# Altium PCB х__логия_v25.PcbDoc (part 2 of 3)
Units mm, origin at the board's own origin, x right, y up, seen from the top; angles counter-clockwise.
Board outline 106.4 x 100 mm, 4 copper layers (Top Layer, Layer 1, Layer 2, Bottom Layer), stack 1.583 mm thick; 273 components, 180 nets, 886 pads, 616 vias.
Unrouted connection lines stored in the file: 69.
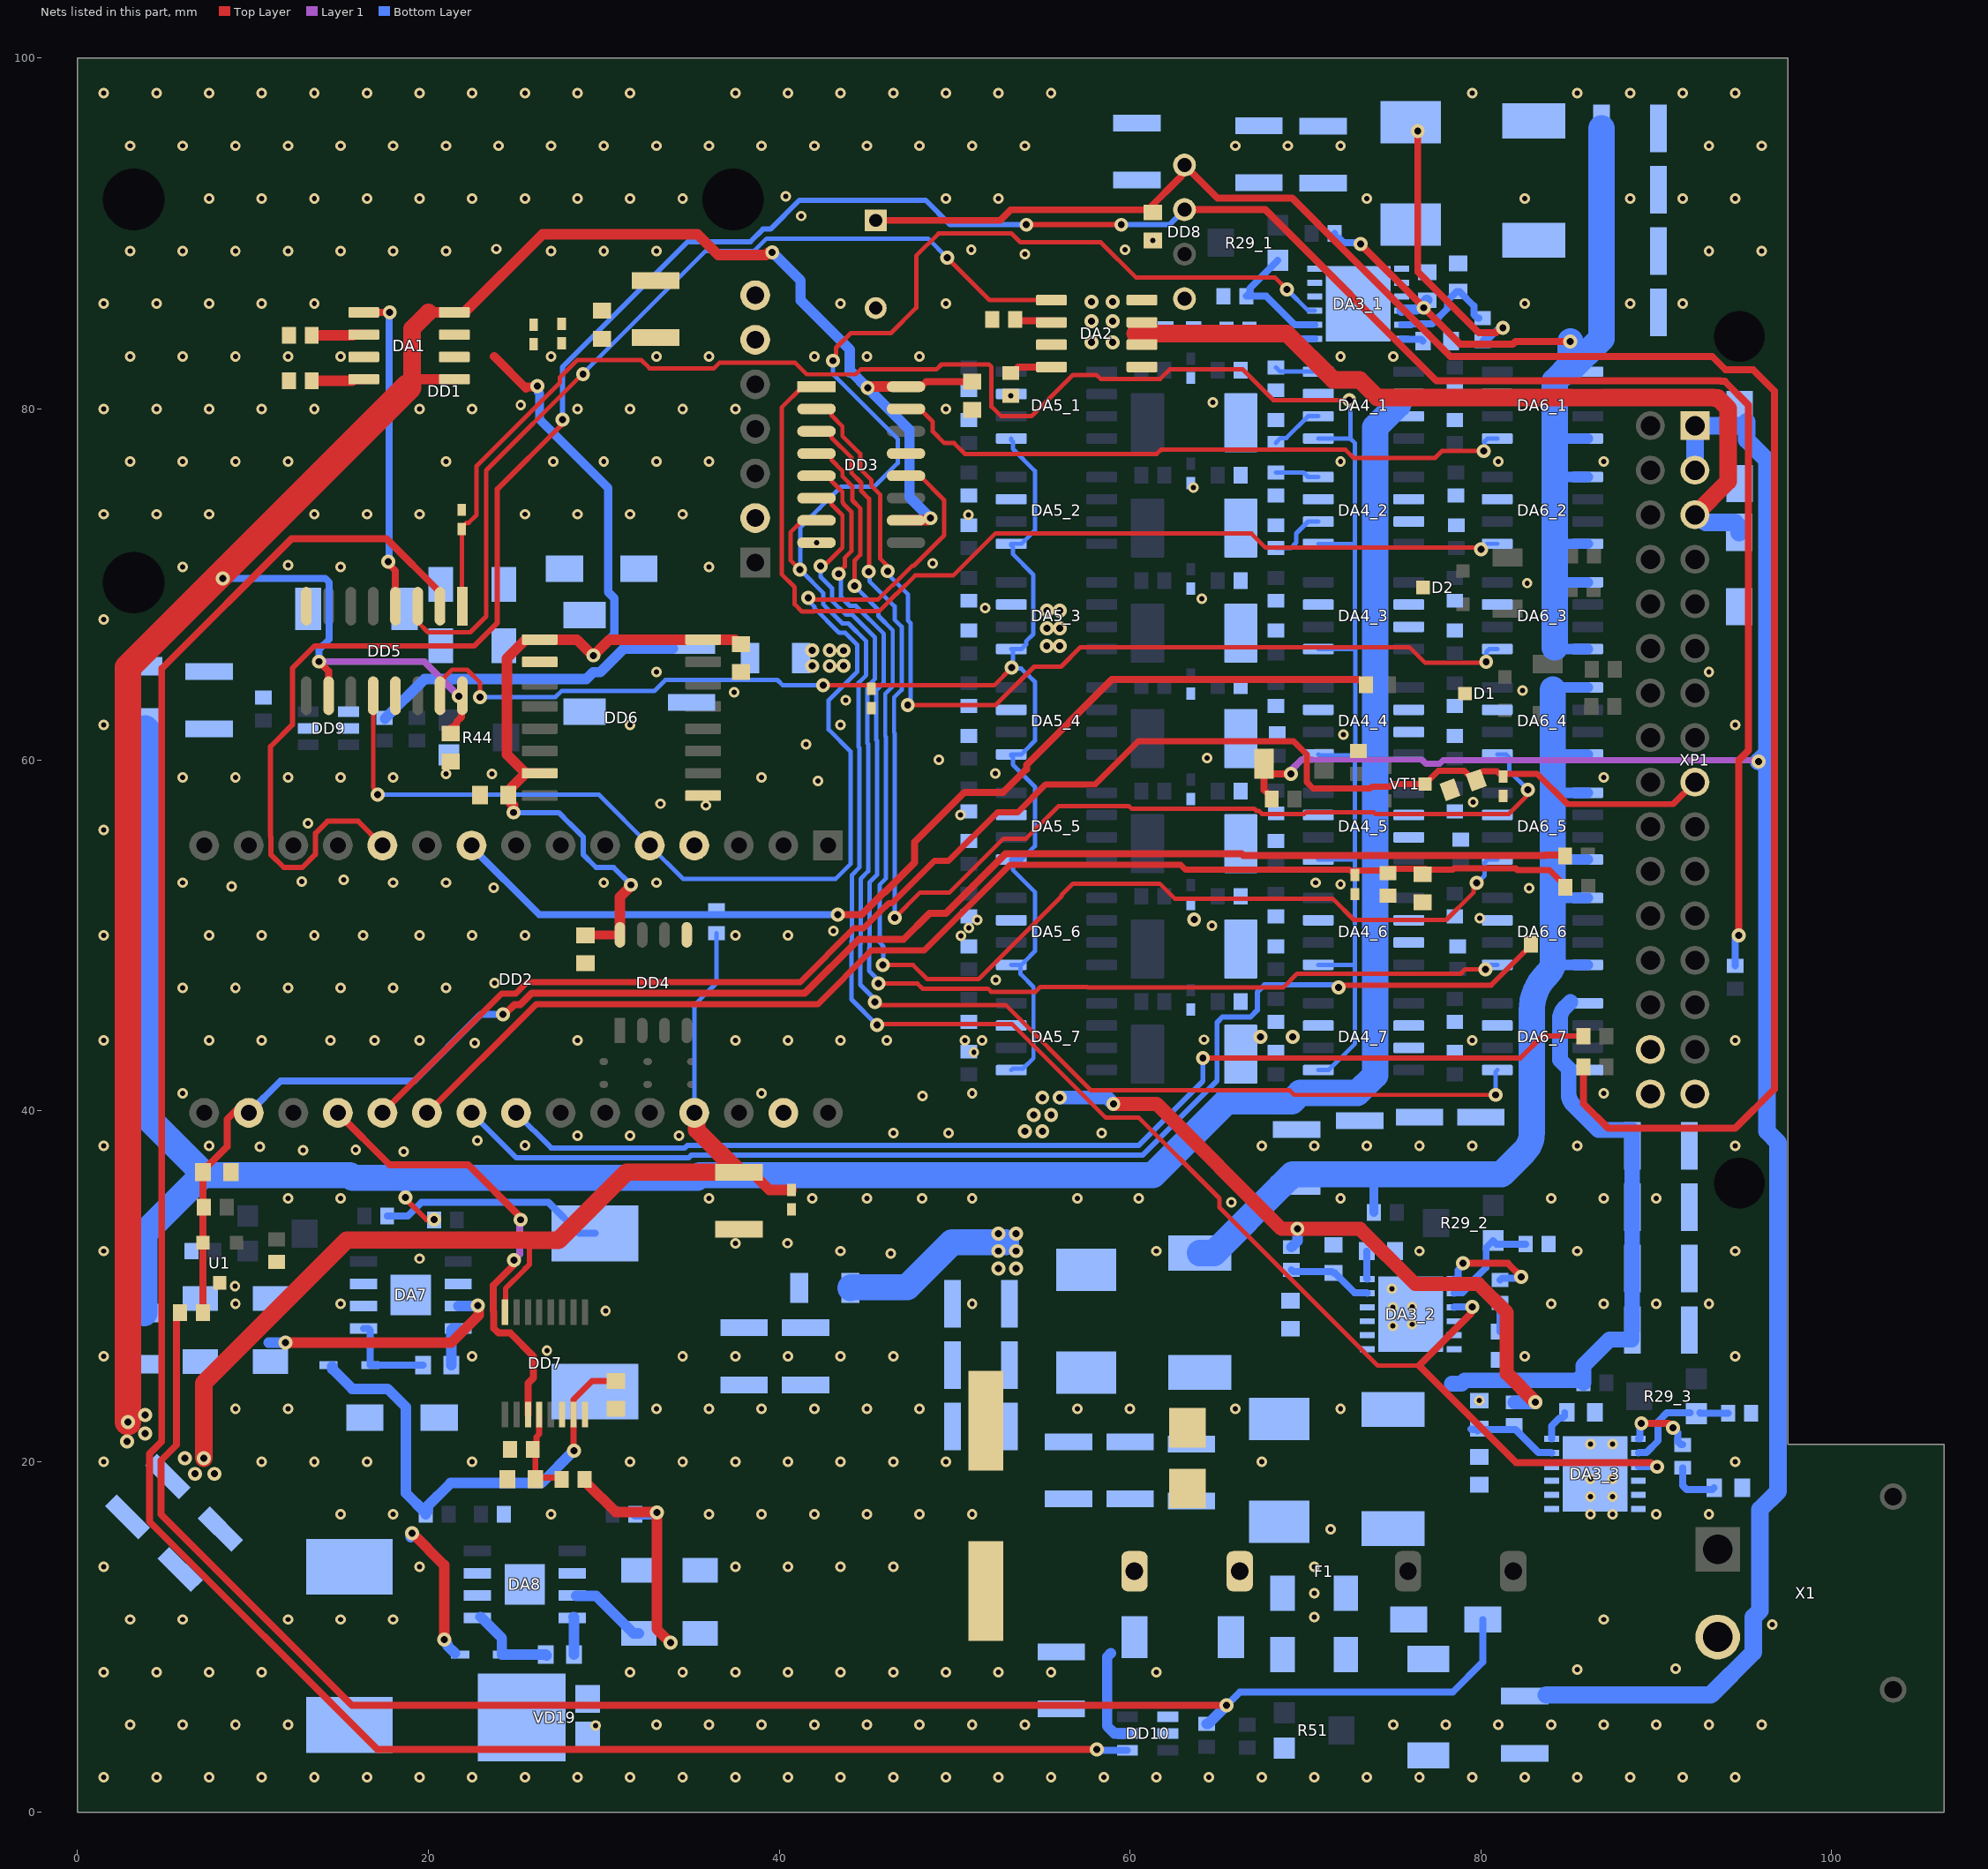
[diagram p4: the nets of this part, all layers, seen from the top]

## Part data
C1: library part EEVFK1E102Q, "Конденсатор алюминиевый электролитический 1000мкФ 25В 20% Low ESR 1100мА SMD12.5x13.5мм", Capacity (uF)=1000, Tolerance=20, Voltage (V)=25, Part Number=EEVFK1E102Q, Type=Aluminum
C2 C5 C29 C30 C35 C36 C38 C39 C44 C45: library part Capacitor_22u_10_25V_X7R_1210C, "Конденсатор", Capacity (nF)=22000, Dielectric=X7R, Tolerance=0,1, Voltage (V)=25, Part Number=Capacitor_22u_10_25V_X7R_1210C
C3 C6 C7 C8 C9 C10 C11 C12 C13 C14 C16: library part Capacitor_0,1u_10_50V_X7R_0603C, "Конденсатор", Capacity (nF)=100, Dielectric=X7R, Tolerance=0,1, Voltage (V)=50, Part Number=Capacitor_0,1u_10_50V_X7R_0603C
C4: library part Capacitor_2200u_10V_10x20, "Конденсатор радиальный 2200мкФ 10В ±20% 10*19", Capacity (uF)=2200, Tolerance=20, Voltage (V)=10, Part Number=Capacitor_2200u_10V_10x20, Type=Aluminum
C15 C24_1 C24_2 C24_3 C25_1 C25_2 C25_3: library part Capacitor_1u_10_50V_X7R_0603C, "Конденсатор", Capacity (nF)=1000, Dielectric=X7R, Tolerance=0,1, Voltage (V)=50, Part Number=Capacitor_1u_10_50V_X7R_0603C
C17_1 C17_2 C17_3 C18_1 C18_2 C18_3 C19_1 C19_2 C19_3 C20_1 C20_2 C20_3 C21_1 C21_2 C21_3 C22_1 C22_2 C22_3 C23_1 C23_2 C23_3: library part Capacitor_10u_10_35V_X7R_1210C, "Конденсатор", Capacity (nF)=10000, Dielectric=X7R, Tolerance=0,1, Voltage (V)=35, Part Number=Capacitor_10u_10_35V_X7R_1210C
C26_1 C26_2 C26_3: library part Capacitor_33n_10_50V_X7R_0603C, "Конденсатор", Capacity (nF)=33, Dielectric=X7R, Tolerance=0,1, Voltage (V)=50, Part Number=Capacitor_33n_10_50V_X7R_0603C
C27_1 C27_2 C27_3: library part Capacitor_1n_10_50V_X7R_0603C, "Конденсатор", Capacity (nF)=1, Dielectric=X7R, Tolerance=0,1, Voltage (V)=50, Part Number=Capacitor_1n_10_50V_X7R_0603C
C28 C31 C33 C34 C37 C40 C42 C43: library part Capacitor_4,7u_10_50V_X7R_1206C, "Конденсатор", Capacity (nF)=4700, Dielectric=X7R, Tolerance=0,1, Voltage (V)=50, Part Number=Capacitor_4,7u_10_50V_X7R_1206C
C32 C41: library part Capacitor_10n_10_50V_X7R_0603C, "Конденсатор", Capacity (nF)=10, Dielectric=X7R, Tolerance=0,1, Voltage (V)=50, Part Number=Capacitor_10n_10_50V_X7R_0603C
D1 D2: "Защитный диод для линии RS-485", Interface=RS-485, Part Number=PSM712
DA1 DA2 DA4_1 DA4_2 DA4_3 DA4_4 DA4_5 DA4_6 DA4_7 DA5_1 DA5_2 DA5_3 DA5_4 DA5_5 DA5_6 DA5_7 DA6_1 DA6_2 DA6_3 DA6_4 DA6_5 DA6_6 DA6_7: "Силовой ключ верхнего плеча с аналоговой обратной связью MultiSense автомобильного применения", Part Number=VN7140AS
DA3_1 DA3_2 DA3_3: "Импульсный повышающий DC-DC стабилизатор, регулируемый, 2.8В-14В (Vin), 24В/4.5A, 1.5МГц, WDFN-12", Part Number=RT8509A
DA7 DA8: "Преобразователь постоянного тока понижающий подстраиваемый выход 5А", Part Number=RT8279GSP
DD1: "Четырехдиапазонный GSM/GPRS модуль, частоты: GSM 850 МГц, EGSM 900 МГц, DCS 1800 МГц и PCS 1900 МГц.", Part Number=sim800l
DD2: "ардуинка на стойках", PACKAGE="Non-Standard Arduino", Availability="Not in stock", Check_prices=https://www.snapeda.com/parts/Arduino%20Nano/Arduino/view-part/?ref=eda, MF=Arduino, MP="Arduino Nano", Part Number=arduino_nano, Price=None, SnapEDA_Link=https://www.snapeda.com/parts/Arduino%20Nano/Arduino/view-part/?ref=snap
DD3 DD5: "8-ми битный сдвиговый регистр", Part Number=MC74HC595ADR2G
DD4: "RS-485 приёмопередатчик", Part Number=MAX485CSA
DD6: "Прием передатчик RS485 с гальванической развязкой", Part Number=ADM2483BRWZ
DD7: "Мультиплексор аналоговый 8 в 1 КМОП кристалл, TSSOP16", Part Number=74HC4051PW,118
DD8: "Датчик температуры и влажности на базе AM2302", Part Number=DHT22
DD9 DD10: "Повышающий/SEPIC DC-DC преобразователь 2А 1.2МГц", Part Number=MT3608
F1: "Предохранитель 20*5 на креплениях", Part Number="Fuse 20x5 on clips FC-M"
L1_1 L1_2 L1_3: "ЧИП-индуктивность экранированная 4,7мкГн ±20% 5,5A 40мОм 2525", Current (A)=5,5, Inductance (μH)=4,7, Part Number=IHLP2525CZER4R7M01
L2 L3 L5 L6: "ЧИП-индуктивность 22мкГн, 1.05A, ±20% катушка", Current (A)=1.05, Inductance (μH)=22, Part Number=B82462G4223M
L4: "ЧИП-индуктивность экранированная 22мкГн ±20% 5A 66мОм 4040 лента на катушке", Current (A)=5, Inductance (μH)=22, Part Number=IHLP4040DZER220M11
L7: "ЧИП-индуктивность экранированная 33мкГн ±20% 4,4A 94,5мОм 4040", Current (A)=4,4, Inductance (μH)=33, Part Number=IHLP4040DZER330M11
R1 R4 R10 R25 R26 R33_1 R33_2 R33_3 R33_4 R33_5 R33_6 R33_7 R35_1 R35_2 R35_3 R35_4 R35_5 R35_6 R35_7 R39_1 R39_2 R39_3 R39_4 R39_5 R39_6 R39_7 R42 R45 R52: library part Resistor_1.0k_1_0603, "Резистор номиналом 1,0 кОм и точностью 1%", Tolerance=1%, Part Number=Resistor_1.0k_1_0603
R2: library part Resistor_1.8k_1_0603, "Резистор номиналом 1,8 кОм и точностью 1%", Tolerance=1%, Part Number=Resistor_1.8k_1_0603
R3 R5 R7 R8 R9 R12 R13 R14 R16 R17 R18 R28_1 R28_2 R28_3: library part Resistor_10_1_0603, "Резистор номиналом 10 Ом и точностью 1%", Tolerance=1%, Part Number=Resistor_10_1_0603
R6 R22 R31_1 R31_2 R31_3 R37_1 R37_2 R37_3 R37_4 R37_5 R37_6 R37_7 R41 R48 R49: library part Resistor_10k_1_0603, "Резистор номиналом 10 кОм и точностью 1%", Tolerance=1%, Part Number=Resistor_10k_1_0603
R11 R40_1 R40_2 R40_3 R40_4 R40_5 R40_6 R40_7: library part Resistor_5.1k_1_0603, "Резистор номиналом 5,1 кОм и точностью 1%", Tolerance=1%, Part Number=Resistor_5.1k_1_0603
R15 R46 R53: library part Resistor_100k_1_0603, "Резистор номиналом 100 кОм и точностью 1%", Tolerance=1%, Part Number=Resistor_100k_1_0603
R19 R20: library part Resistor_120_1_0603, "Резистор номиналом 120 Ом и точностью 1%", Tolerance=1%, Part Number=Resistor_120_1_0603
R21: library part Resistor_18k_1_0603, "Резистор номиналом 18 кОм и точностью 1%", Tolerance=1%, Part Number=Resistor_18k_1_0603
R23 R24 R32_1 R32_2 R32_3 R32_4 R32_5 R32_6 R32_7 R34_1 R34_2 R34_3 R34_4 R34_5 R34_6 R34_7 R38_1 R38_2 R38_3 R38_4 R38_5 R38_6 R38_7: library part Resistor_15k_1_0603, "Резистор номиналом 15 кОм и точностью 1%", Tolerance=1%, Part Number=Resistor_15k_1_0603
R27_1 R27_2 R27_3: library part Resistor_130k_1_0603, "Резистор номиналом 130 кОм и точностью 1%", Tolerance=1%, Part Number=Resistor_130k_1_0603
R29_1 R29_2 R29_3: "Потенциометр однооборотный керметный 50кОм 0.1Вт ±25% SMD лента на катушке", Tolerance=50%, Part Number=TC33X-2-503E
R30_1 R30_2 R30_3: library part Resistor_56k_1_0603, "Резистор номиналом 56 кОм и точностью 1%", Tolerance=1%, Part Number=Resistor_56k_1_0603
R36_1 R36_2 R36_3 R36_4 R36_5 R36_6 R36_7: library part Resistor_510_1_0603, "Резистор номиналом 510 Ом и точностью 1%", Tolerance=1%, Part Number=Resistor_510_1_0603
R43 R50: library part Resistor_470_1_0603, "Резистор номиналом 470 Ом и точностью 1%", Tolerance=1%, Part Number=Resistor_470_1_0603
R44 R51: "Потенциометр керметный 100 Ом 0.1Вт для поверхностного монтажа", Tolerance=50%, Part Number=TC33X-2-101E
R47: "Потенциометр керметный 1кОм 0.1Вт для поверхностного монтажа", Tolerance=50%, Part Number=TC33X-2-102E
R54: library part Resistor_31.6k_1_0603, "Резистор номиналом 31,6 кОм и точностью 1%", Tolerance=1%, Part Number=Resistor_31.6k_1_0603
SB1 SB2 SB3 SB4 SB5 SB6 SB7: "Solder bridge, мост припоя, запаиваемая перемычка, net tie, jumper", Part Number=SB
U1: "Источник опорного напряжения , программируемый стабилитрон [SOT-23-3]", Part Number="UMW TL431 0.5%"
VD1: "Защитный диод на 13 В, рассеиваемая мощность 600 Вт", Power (W)=600, Voltage nominal (V)=13, Part Number=SMBJ13A-TR
VD2 VD4 VD5 VD6 VD7 VD8 VD10 VD13_1 VD13_2 VD13_3 VD13_4 VD13_5 VD13_6 VD13_7: "Защитный диод на 5 В, рассеиваемая мощность 330 Вт", Power (W)=330, Voltage nominal (V)=5, Part Number=PESD5V0S1UB
VD3: "Стабилитрон на 2.4 В, рассеиваемая мощность 0.5 Вт", Current nominal (mA)=5, Power (W)=0.3, Voltage nominal (V)=2.4, Part Number=BZV55B2V4
VD9 VD11: "Защитный диод на 12 В, рассеиваемая мощность 400 Вт", Power (W)=400, Voltage nominal (V)=12, Part Number=SMAJ12CA
VD12_1 VD12_2 VD12_3: "Диод шоттки на 100 В, ном. ток 8 А", Current (A)=8, Voltage nominal (V)=100, Part Number=SK810
VD14 VD16 VD17: "Диод шоттки на 40 В, ном. ток 2.1 А", Current (A)=2.1, Voltage nominal (V)=40, Part Number=15MQ040N
VD15 VD18: "Диод шоттки на 30 В, ном. ток 0.2 А", Current (A)=0.2, Voltage nominal (V)=30, Part Number=BAT54WS
VD19: "Диод шоттки на 45 В, ном. ток 10 А", Current (A)=10, Voltage nominal (V)=45, Part Number=10S45SP
VT1: "Биполярный транзистор PNP 45В 0.5А 0.31Вт", Part Number=bc807, Напряжение С-И/К-Э="45 В", Ток макс#="0.5 А"
X1: "30 А (15 продолжительно), 2 контакта разъем угловой отец", Part Number=XT30PW-M
XP1: "DIN41612R (DS1118-32M0R23), Разъем (вилка) тип B 32pin (2х16), шаг 2.54мм двухрядный угловой (ряд АВ)", Part Number=DIN41612_32_2row_right_angle_father

## Via types
v1: diameter 0.6, hole 0.3, Top Layer to Bottom Layer, tented both sides, 444 vias
v2: diameter 0.8, hole 0.4, Top Layer to Bottom Layer, tented both sides, 158 vias
v3: diameter 1, hole 0.6, Top Layer to Bottom Layer, tented both sides, 14 vias

## Nets (pads, with @x,y where several pads share a name; then routed paths per layer and width w, separated by ;. In a path a pad name is that pad's centre, name@x,y a point inside that pad or via, vN(x,y) a via of type N, cw(c..) or ccw(c..) an arc to the next point about the centre after c; other vN are vias at no path point)
+5: C2.1 C9.2 C11.2 C12.2 C44.2 C45.2 DA1.5 DA1.8 DD2.27 DD3.10 DD3.16 DD5.10 DD5.16 DD7.7 DD7.16 L7.2 R6.2 R53.2 VD2.2 VD15.1 VD18.1 | length 244.4
  Top Layer w0.3: DD7.16@24.364,28.521 24.392,28.549 24.392,29.855 25.521,30.984 25.521,30.996 25.75,31.225 25.75,32.625
  Top Layer w0.35: v2(28.3,20.625) 28.278,20.647 28.278,22.676 DD7.7@28.276,22.679 28.278,22.682 28.278,23.542 29.336,24.6 C12.2@30.7,24.6
  Top Layer w0.4: v2(13.764,65.6) 14.314,65.05 DD5.10@14.314,63.654 ; C9.2@21.3,61.85 21.375,61.85 21.625,62.1 21.625,62.175 21.894,62.444 21.894,63.614 DD5.16@21.934,63.654 ; DD3.16@47.226,81.27 48.08,81.27 48.36,81.55 C11.2@51,81.55
  Top Layer w0.6: 18.845,81.245 19.07,81.47 19.295,81.695 DA1.5@21.48,81.695 ; v2(19.075,15.925) 20.9,14.1 v2(20.9,9.846) ; 20.005,85.505 DA1.8@21.48,85.505 22.06,85.505 26.505,89.95 35.35,89.95 36.521,88.779 39.245,88.779 39.398,88.933 39.601,88.933 v2(39.604,88.936) ; C2.1@37.7,36.5 38.576,36.5 38.753,36.323 38.753,36.172 39.45,35.475 VD2.2@40.7,35.475 ; v2(45.041,81.2) 45.095,81.2 45.165,81.27 DD3.16@47.226,81.27 ; DD3.10@47.226,73.65 DD3.10@47.226,73.65 48.443,73.652 48.567,73.775 v2(48.621,73.775)
  Top Layer w1: v2(7.2,20.2) 7.2,24.475 15.356,32.631 25.679,32.631 25.685,32.625 27.429,32.625 31.304,36.5 C2.1@37.7,36.5 35.294,38.906 35.294,39.562 DD2.27@34.975,39.881 ; 19.07,81.47 19.07,84.57 20.005,85.505
  Top Layer w1.5: v2(2.875,22.25) 2.875,65.275 18.845,81.245
  Layer 1 w0.4: v2(13.764,65.6) 19.766,65.6 v2(21.737,63.629)
  Bottom Layer w0.25: DD2.27@35.16,39.88 35.16,46.01 36.425,47.275 R6.2@36.425,50.125
  Bottom Layer w0.4: v2(8.275,70.35) 14.12,70.35 14.354,70.116 14.354,66.879 13.764,66.289 v2(13.764,65.6)
  Bottom Layer w0.6: VD15.1@14.53,25.43 14.53,25.28 15.66,24.15 17.674,24.15 18.712,23.112 18.712,18.213 R53.2@19.85,17.075 ; v2@18.987,15.69 18.987,15.837 v2(19.075,15.925) ; R53.2@19.85,17 R53.2@19.85,17.075 ; v2(20.9,9.846) 20.9,9.792 21.081,9.611 21.081,9.519 VD18.1@21.525,9.075 ; v2(28.3,20.625) 26.45,18.775 21.267,18.775 19.95,17.458 19.95,17.175 R53.2@19.85,17.075 ; v2(39.604,88.936) 41.218,87.322 41.218,86.189 44.025,83.381 44.025,82.075 44.15,82.075 45.025,81.2 v2(45.041,81.2) 47.429,78.812 47.429,74.967 v2(48.621,73.775)
  other v2: 6.7,19.3 7.8,19.3 6.125,20.2 2.825,21.15 3.85,21.6 3.85,22.65
+5_pizdec_clean: C3.2 DD2.17 R1.1 R4.2 R12.1 U1.2 | length 94.8
  Top Layer w0.4: R1.1@7.15,28.5 U1.2@7.15,32.475 C3.2@7.15,36.5 7.15,36.575 8.524,37.949 8.524,39.503 9.37,40.349 10.07,40.349 DD2.17@10.149,40.269 ; v2(24.25,45.5) 24.358,45.5 24.908,46.05 25.235,46.05 25.889,46.704 41.461,46.704 44.517,49.76 47.081,49.76 48.571,51.25 49.5,51.25 52.901,54.651 66.349,54.651 66.444,54.556 83.659,54.556 83.68,54.577 84.6,54.577 84.652,54.525 R12.1@84.8,54.525
  Bottom Layer w0.4: DD2.17@9.76,39.88 11.584,41.704 19.204,41.704 23,45.5 v2(24.25,45.5)
+5_sw: C4.1 C5.2 C6.2 C10.1 C13.2 C14.2 C16.2 DA1.6 DA1.7 DD1.7 DD4.8 DD6.1 DD6.7 DD6.16 DD8.VDD R18.1 VD4.2 VD10.2 | length 172.3
  Top Layer w0.4: C4.1@45.8,90.9 45.95,90.75 52.595,90.75 53.199,91.354 61.004,91.354 62.926,93.276 62.926,93.726 DD8.VDD@63.1,93.9 64.986,92.014 69.25,92.014 70.75,90.514 70.75,90.5 78.25,83 93.177,83 93.951,82.226 95.524,82.226 96.727,81.023 96.727,41.227 94.5,39 87.25,39 85.85,40.4 R18.1@85.85,42.5
  Top Layer w0.5: 23.75,83 25.564,81.186 25.635,81.257 26.156,81.257 v2(26.213,81.315) ; C10.1@28.95,50 28.962,50.012 30.907,50.012 DD4.8@30.92,50.025
  Top Layer w0.6: v2(24.862,56.997) 24.823,57.036 24.823,57.427 24.7,57.55 24.7,58.38 DD6.7@25.555,59.235 ; DD6.7@26.35,59.235 DD6.7@25.555,59.235 ; DD4.8@30.92,50.025 30.92,52.191 31.55,52.821 v2(31.55,52.875) ; C13.2@37.819,66.6 37.744,66.6 37.489,66.855 DD6.16@35.66,66.855 30.333,66.855 29.428,65.95 v2(29.4,65.95) 29.372,65.95 28.467,66.855 25.555,66.855 24.475,65.775 24.475,60.315 DD6.7@25.555,59.235
  Bottom Layer w0.3: v2(24.862,56.997) 27.428,56.997 28.051,56.374 28.059,56.374 28.794,55.639 28.794,55.631 28.826,55.599 28.826,54.601 29.561,53.866 30.559,53.866 v2(31.55,52.875)
  Bottom Layer w0.5: v2(26.213,81.315) 26.271,81.257 26.271,80.964 26.342,80.893 26.342,79.408 30.25,75.5 30.25,69.563 30.604,69.209 30.604,67.154 v2(29.4,65.95)
+12_akkum: C1.1 C17_1.2 C17_2.2 C17_3.2 C18_1.2 C18_2.2 C18_3.2 C19_1.2 C19_2.2 C19_3.2 C38.2 C42.2 C43.2 DA2.5 DA2.8 DA8.7 DD10.5 F1.2 L1_1.1 L1_2.1 L1_3.1 L5.1 R21.2 R28_1.2 R28_2.2 R28_3.2 R52.2 SB5.1 SB7.1 VD1.2 | length 88.4
  Top Layer w0.4: v2(76.4,95.85) 76.4,87.825 79.875,84.35 80.867,84.35 81.146,84.629 v2(81.254,84.629)
  Top Layer w0.6: R21.2@28.95,18.85 29,18.8 30.668,17.132 32.987,17.132 v2(33.026,17.094) 33.026,10.449 v2(33.8,9.675)
  Top Layer w0.8: v2(59.049,40.395) 61.505,40.395 68.638,33.262 v2(69.537,33.262) 73.113,33.262 76.25,30.125 79.85,30.125 81.475,28.5 81.475,25.025 83.1,23.4 v2(83.1,23.387)
  Bottom Layer w0.4: R28_1.2@80.1,83.875 80.3,84.075 80.5,84.075 80.746,84.321 80.763,84.321 81.071,84.629 v2(81.254,84.629) ; R28_3.2@81.9,23.375 R28_3.2@81.913,23.387
  Bottom Layer w0.6: DA8.7@28.425,12.35 29.55,12.35 31.7,10.2 C43.2@32,10.2 ; R52.2@31.8,17 32.932,17 v2(33.026,17.094) ; 58.9,9.075 58.696,8.871 58.696,4.921 59.117,4.5 DD10.5@59.85,4.5 ; R28_2.2@69.2,32.225 69.537,32.562 v2(69.537,33.262)
  Bottom Layer w0.8: v2(56,40.75) 58.694,40.75 v2(59.049,40.395) ; R28_3.2@81.913,23.375 83.087,23.375 v2(83.1,23.387)
  Bottom Layer w1.5: SB7.1@44.06,29.9 44.095,29.935 47.285,29.935 49.85,32.5 52.925,32.5
  other v2: 52.5,31 53.5,31 52.5,32 53.5,32 52.5,33 53.5,33 54,38.837 55,38.837 54.5,39.75 55.5,39.75 55,40.75 41.885,65.35 42.875,65.35 43.666,65.353 43.666,66.228 41.885,66.25 42.875,66.25 55.25,66.5 56,66.5 55.269,67.5 56,67.5 55.269,68.5 56,68.5 57.8,83.8 59,83.8 57.8,85 59,85 57.8,86.1 59,86.1
+12_stable: C39.2 R1.2 R2.2 R49.2 VD3.2 VD9.2 VD17.2 XP1.A1 XP1.A2 | length 218.3
  Top Layer w0.4: R1.2@5.842,28.692 5.65,28.5 5.65,20.958 4.75,20.058 4.75,17 15.65,6.1 v2(65.5,6.1) ; VD3.2@67.645,59.775 VD3.2@67.645,59.586 ; R2.2@68.075,57.775 68.075,57.85 67.645,58.28 VD3.2@67.645,59.586 ; v2(69.175,59.2) 68.031,59.2 VD3.2@67.645,59.586
  Layer 1 w0.35: 70.365,60.016 76.627,60.016 76.869,59.774 77.639,59.774 77.849,59.984 95.741,59.984 v2(95.825,59.9)
  Layer 1 w0.4: v2(69.175,59.2) 69.175,59.405 69.786,60.016 70.365,60.016
  Bottom Layer w0.4: v2(65.5,6.1) 66.254,6.854 78.389,6.854 80.115,8.58 VD17.2@80.115,11
  Bottom Layer w0.6: R49.2@64.375,5.05 64.45,5.05 v2(65.5,6.1)
  Bottom Layer w1: C39.2@83.73,6.7 93.1,6.7 95.529,9.129 95.529,11.129 95.9,11.5 95.9,12.9 95.9,17.267 96.944,18.311 96.944,38.181 96.3,38.825 96.3,59.9 ; XP1.A2@92.2,76.51 XP1.A1@92.2,79.05 94.92,79.05 95.145,79.275 95.145,78.231 96.3,77.076 96.3,60.4 95.825,59.925 v2(95.825,59.9)
+12_vilka: DA2.6 DA2.7 VD11.2 XP1.A3 | length 45.5
  Top Layer w1: 60.3,84.3 68.95,84.3 71.592,81.658 73.092,81.658 74.1,80.65 93.253,80.65 93.285,80.618 93.514,80.618 94.1,80.032 94.1,75.87 XP1.A3@92.2,73.97
  Bottom Layer w1: XP1.A3@92.2,73.97 92.376,73.97 92.821,73.525 94.475,73.525 94.725,73.275 VD11.2@94.725,72.965
+14: DA4_1.6 DA4_1.7 DA4_2.6 DA4_2.7 DA4_3.6 DA4_3.7 DA4_4.6 DA4_4.7 DA4_5.6 DA4_5.7 DA4_6.6 DA4_6.7 DA4_7.6 DA4_7.7 R45.2 SB4.1 SB6.1 | length 147.6
  Top Layer w0.3: v2(18.688,35.063) 18.688,34.992 19.905,33.775 19.932,33.802 v2(20.326,33.802)
  Bottom Layer w0.3: v2(18.688,35.063) v2@18.7,35.075 ; R45.2@20.326,33.795 v2(20.326,33.802) R45.2@20.326,33.795 ; R45.2@20.326,33.795 20.315,33.785 R45.2@20.326,33.795
  Bottom Layer w0.5: v2@18.7,35.075 18.7,36.173
  Bottom Layer w1.5: SB6.1@3.8,28.46 3.8,33 7.125,36.325 ; 3.851,61.801 3.95,61.702 3.95,39.65 7.2,36.4 7.125,36.325 ; 75.275,80.254 73.973,78.952 73.973,42.027 72.956,41.01 69.699,41.01 69.219,40.53 65.5,40.53 61.295,36.325 35.481,36.325 35.329,36.173 18.7,36.173 15.671,36.173 15.519,36.325 7.125,36.325
+24_1: C20_1.2 C21_1.2 C22_1.2 C23_1.2 C24_1.1 DA3_1.10 DA6_1.5 DA6_1.8 DA6_2.5 DA6_2.8 DA6_3.5 DA6_3.8 R27_1.2 VD12_1.2 | length 60.2
  Top Layer w0.4: v2(73.15,89.4) 73.15,89.379 76.738,85.79 v2(76.738,85.769) 78.811,83.696 81.818,83.696 81.976,83.854 v2(85.1,83.854)
  Bottom Layer w0.4: R27_1.2@71.65,90 71.65,89.925 71.85,89.725 71.925,89.725 72.173,89.477 73.073,89.477 v2(73.15,89.4)
  Bottom Layer w0.6: DA3_1.10@75.475,85.6 75.546,85.671 76.346,85.671 C24_1.1@76.542,85.866 ; C24_1.1@76.95,86.2 76.888,86.2 76.738,86.05 v2(76.738,85.769) ; 84.207,66.4 84.293,66.314 DA6_3.8@86.091,66.314 ; 84.207,70.1 84.231,70.124 DA6_3.5@86.091,70.124 ; 84.207,72.2 84.321,72.314 DA6_2.8@86.091,72.314 ; 84.207,76.1 84.231,76.124 DA6_2.5@86.091,76.124 ; 84.207,78.4 84.293,78.314 84.4,78.314 DA6_1.8@86.091,78.314 ; v2(76.738,85.769) 76.738,85.746 76.761,85.769 v2(76.738,85.769)
  Bottom Layer w1.5: 84.207,66.4 84.207,70.1 84.207,72.2 84.207,76.1 84.207,78.4 84.207,81.577 85.1,82.47 ; 85.02,82.158 86.875,84.013 C21_1.2@86.875,85.5 C22_1.2@86.875,89 C23_1.2@86.875,92.5 C20_1.2@86.875,96 ; 85.1,82.238 v2(85.1,83.854)
+24_2: C20_2.2 C21_2.2 C22_2.2 C23_2.2 C24_2.1 DA3_2.10 DA6_4.5 DA6_4.8 DA6_5.5 DA6_5.8 DA6_6.5 DA6_6.8 R27_2.2 VD12_2.2 | length 62.5
  Bottom Layer w0.5: C23_2.2@73.1,36.175 73.673,36.175 73.9,35.948 R27_2.2@73.9,34.2
  Bottom Layer w0.6: 84.1,48.3 84.114,48.314 DA6_6.8@86.091,48.314 ; 84.1,52.2 84.176,52.124 DA6_6.5@86.091,52.124 ; 84.1,54.5 84.286,54.314 DA6_5.8@86.091,54.314 ; 84.1,58.3 84.276,58.124 DA6_5.5@86.091,58.124 ; 84.1,60.3 84.114,60.314 DA6_4.8@86.091,60.314 ; 84.1,64 84.224,64.124 DA6_4.5@86.091,64.124
  Bottom Layer w1.5: VD12_2.2@63.979,31.885 64.779,31.885 68.596,35.702 69.269,36.375 73.1,36.375 73.9,36.375 C22_2.2@76.5,36.375 C21_2.2@80,36.375 81.175,36.375 82.461,37.661 ccw(c81.4,38.721) 82.9,38.724 82.9,45.721 cw(c84.4,45.721) 82.9,45.726 82.9,45.729 cw(c85.763,45.714) 83.74,47.74 83.75,47.75 ccw(c82.69,48.811) 84.1,48.3 84.1,52.2 84.1,54.5 84.1,58.3 84.1,60.3 84.1,64